# Altium PCB Bran_Main_Assay_PCB_v2_20170826.pcbdoc (part 1 of 4)
Units mm, origin at the board's own origin, x right, y up, seen from the top; angles counter-clockwise.
Board outline 91.65 x 48.25 mm, 6 copper layers (TOP, GND1, Singal, POWER, GND2, BOTTOM), stack 0.8 mm thick; 367 components, 288 nets, 1408 pads, 966 vias.
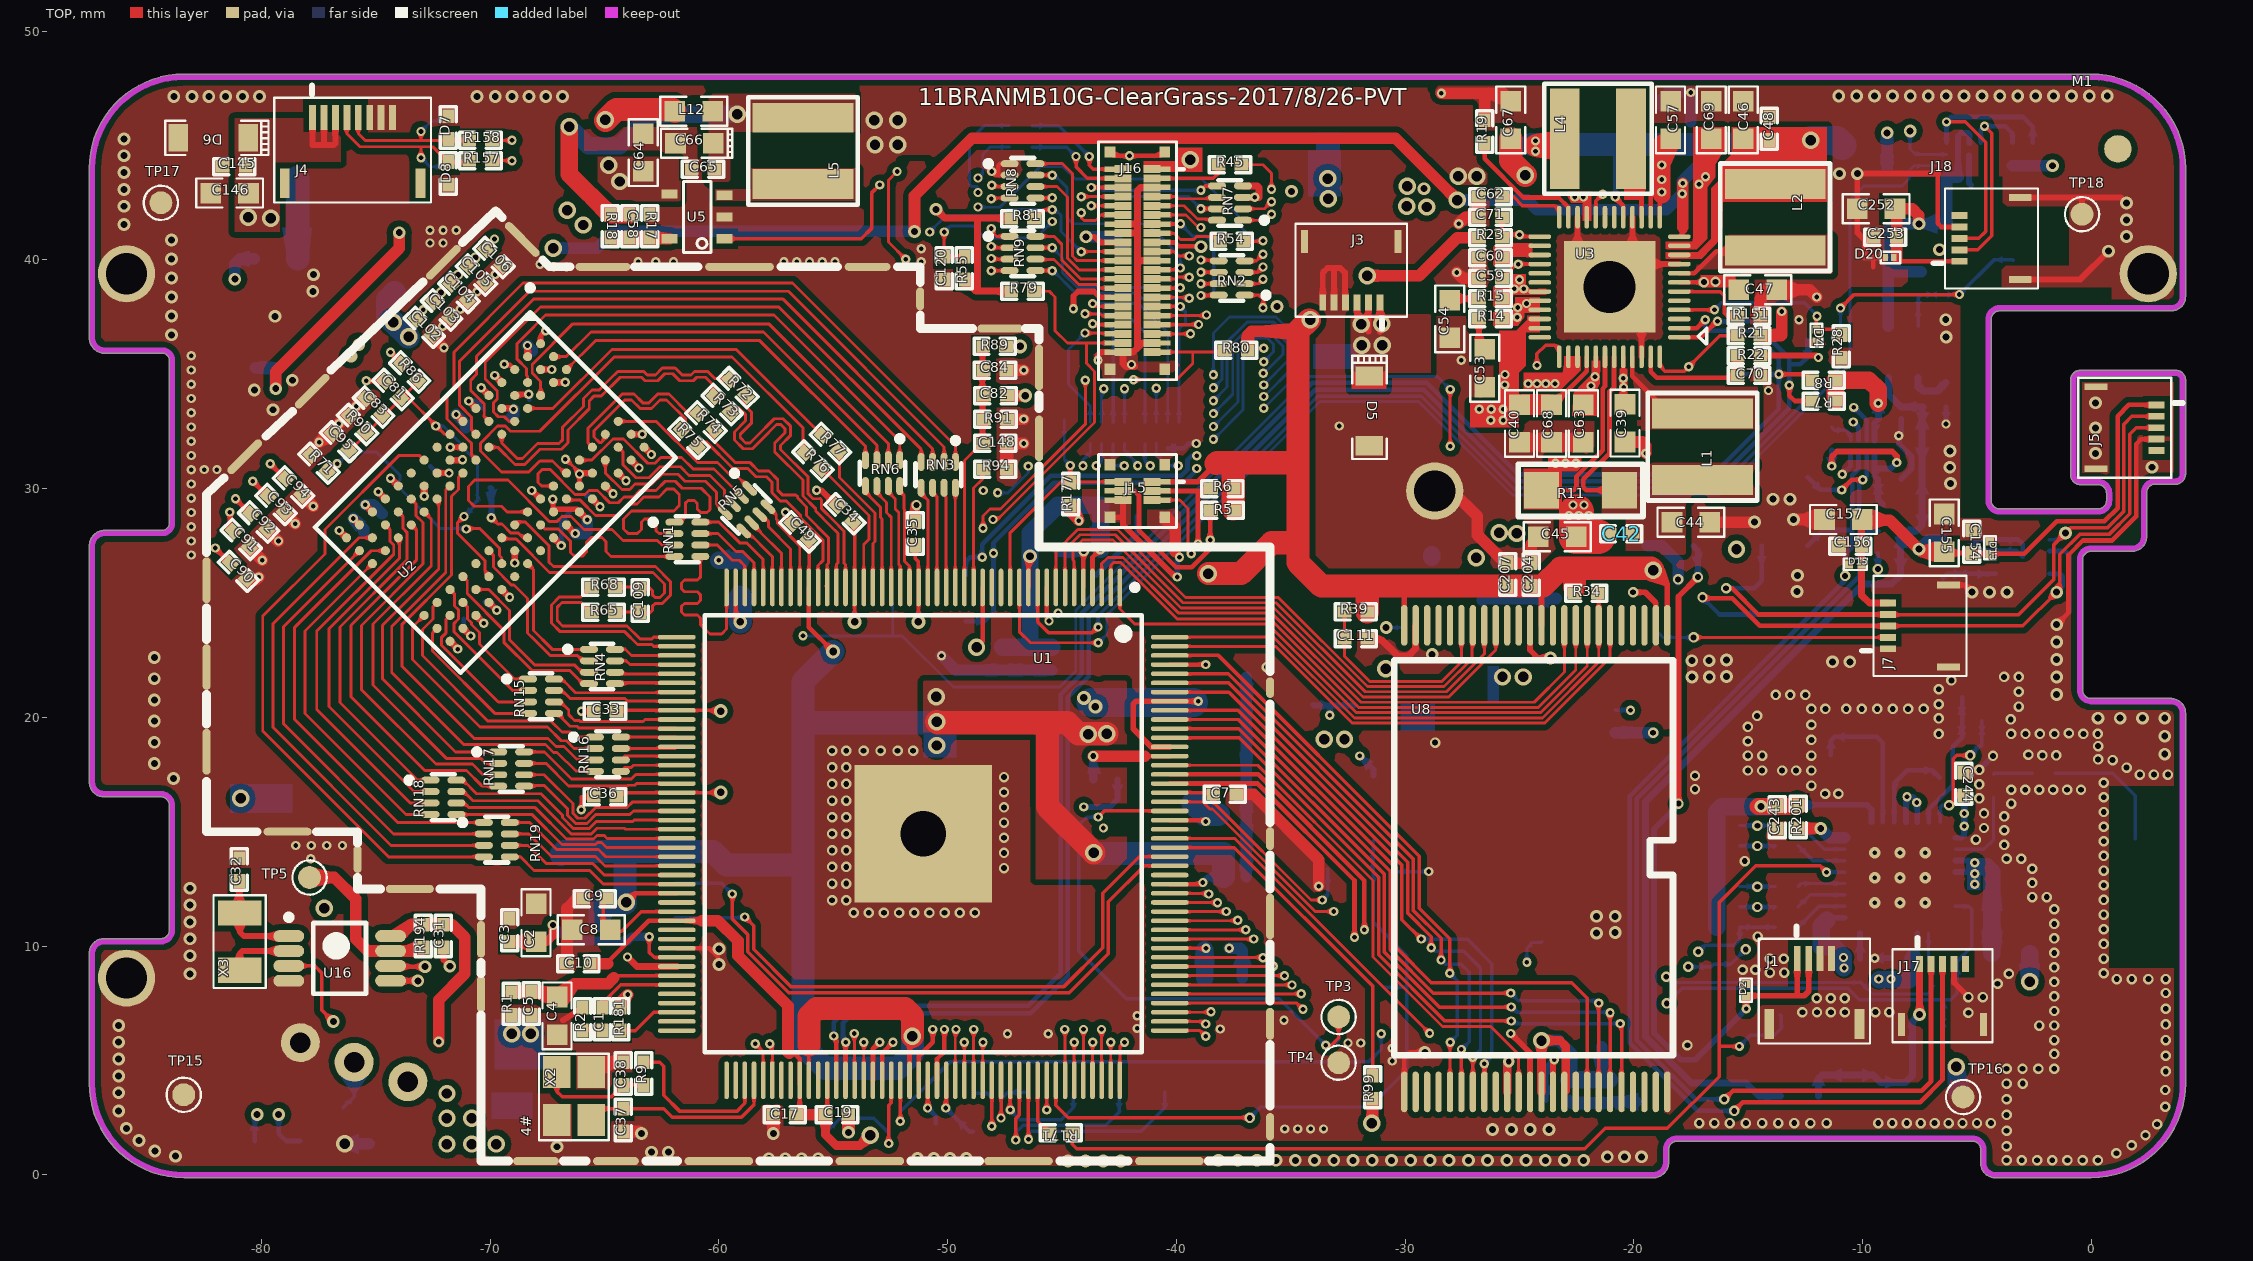
[diagram p0: TOP view]
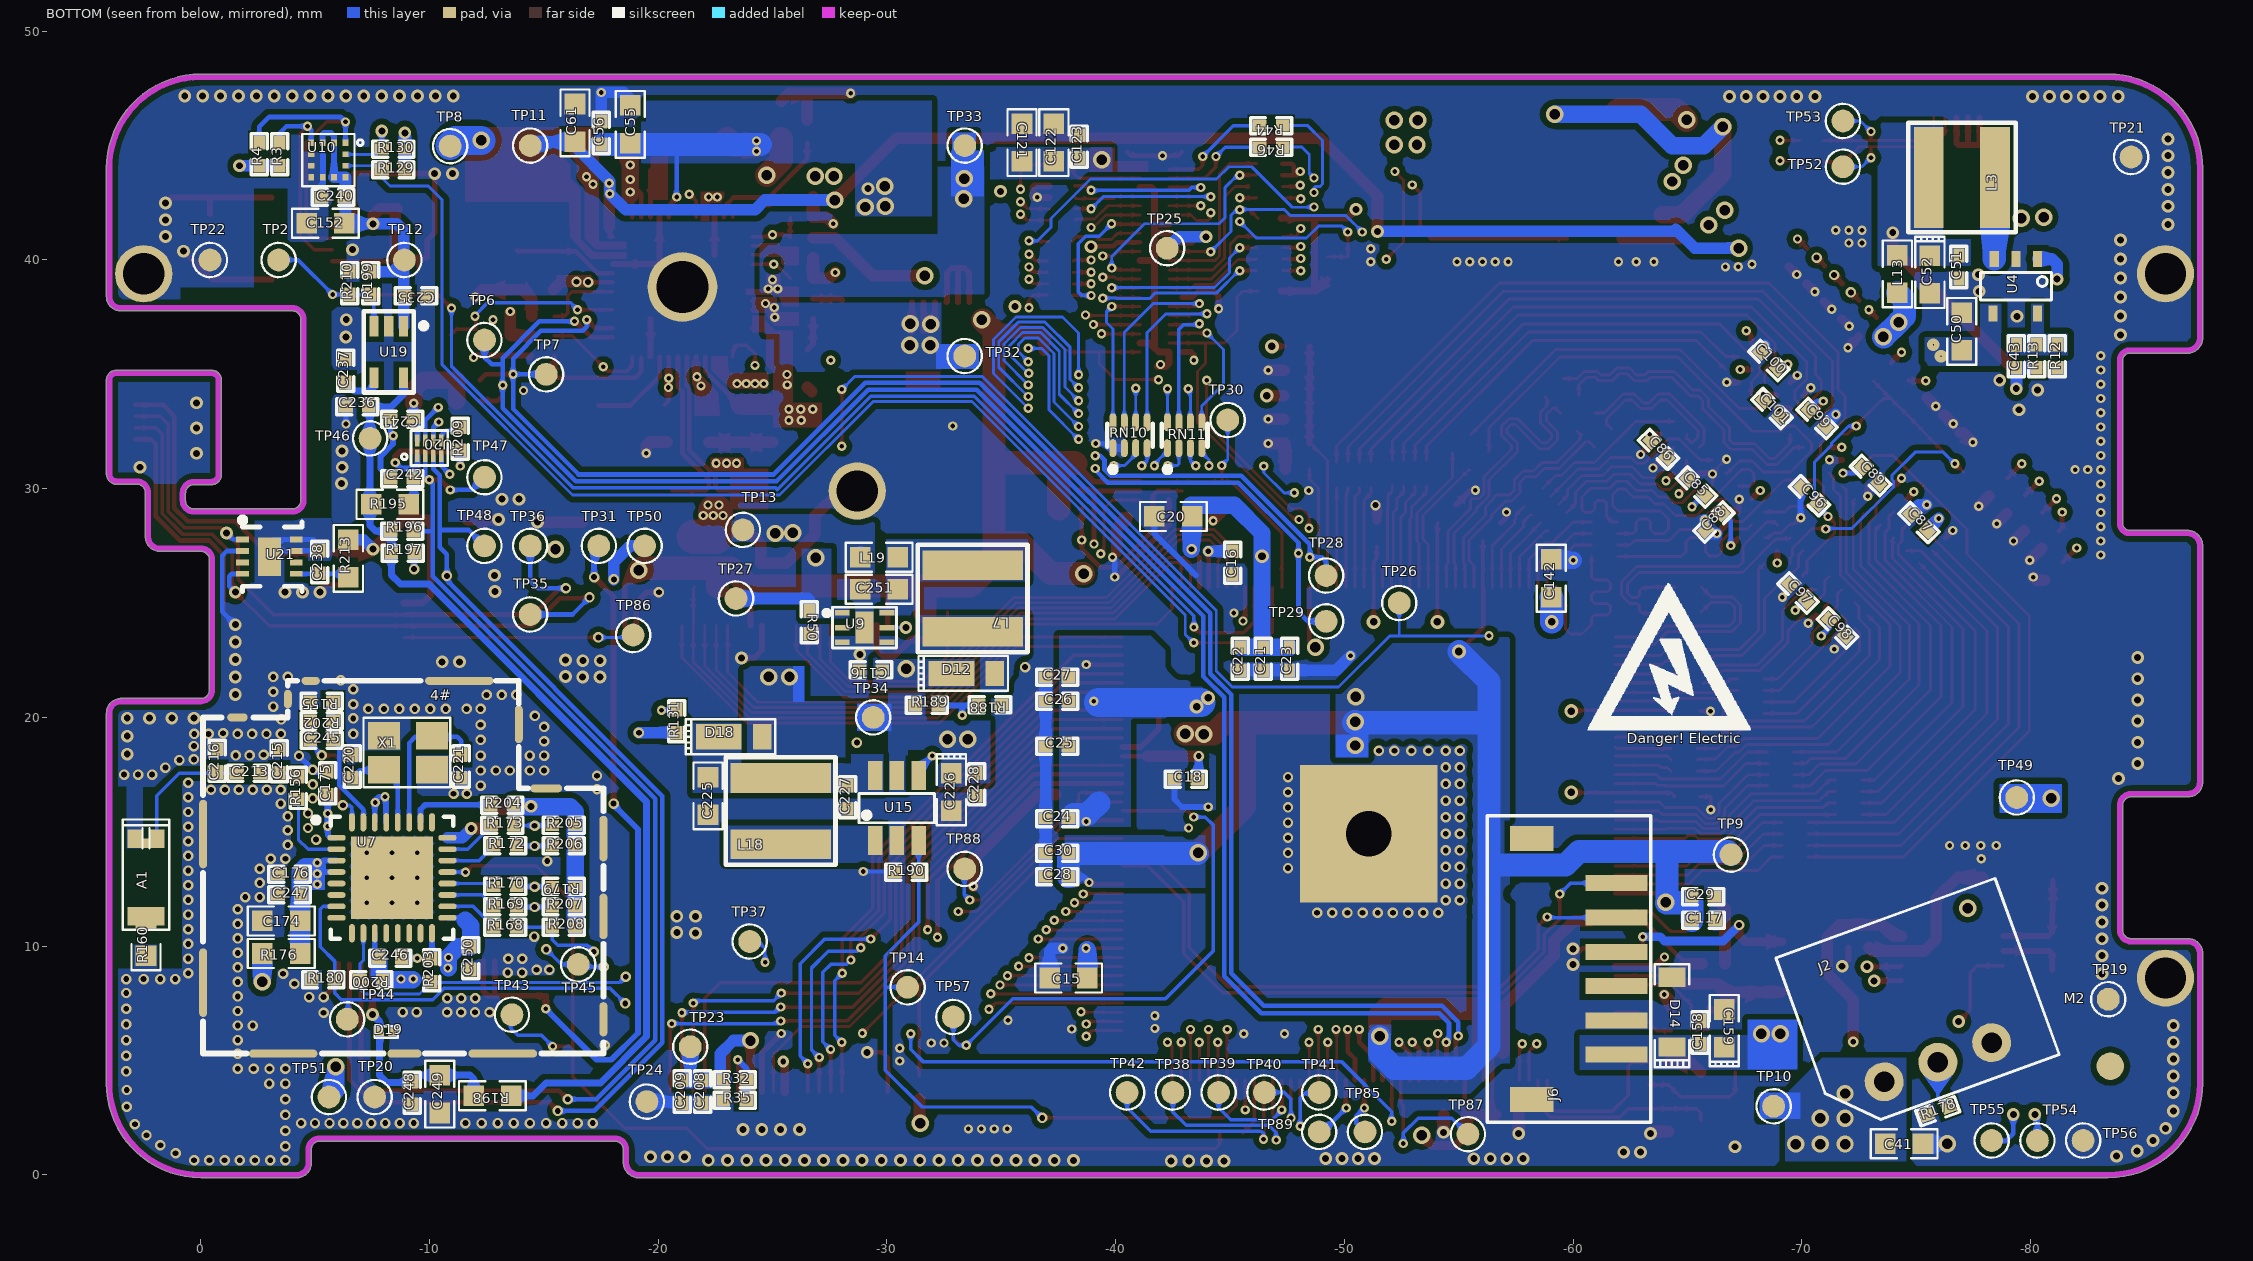
[diagram p1: BOTTOM view, seen from below]
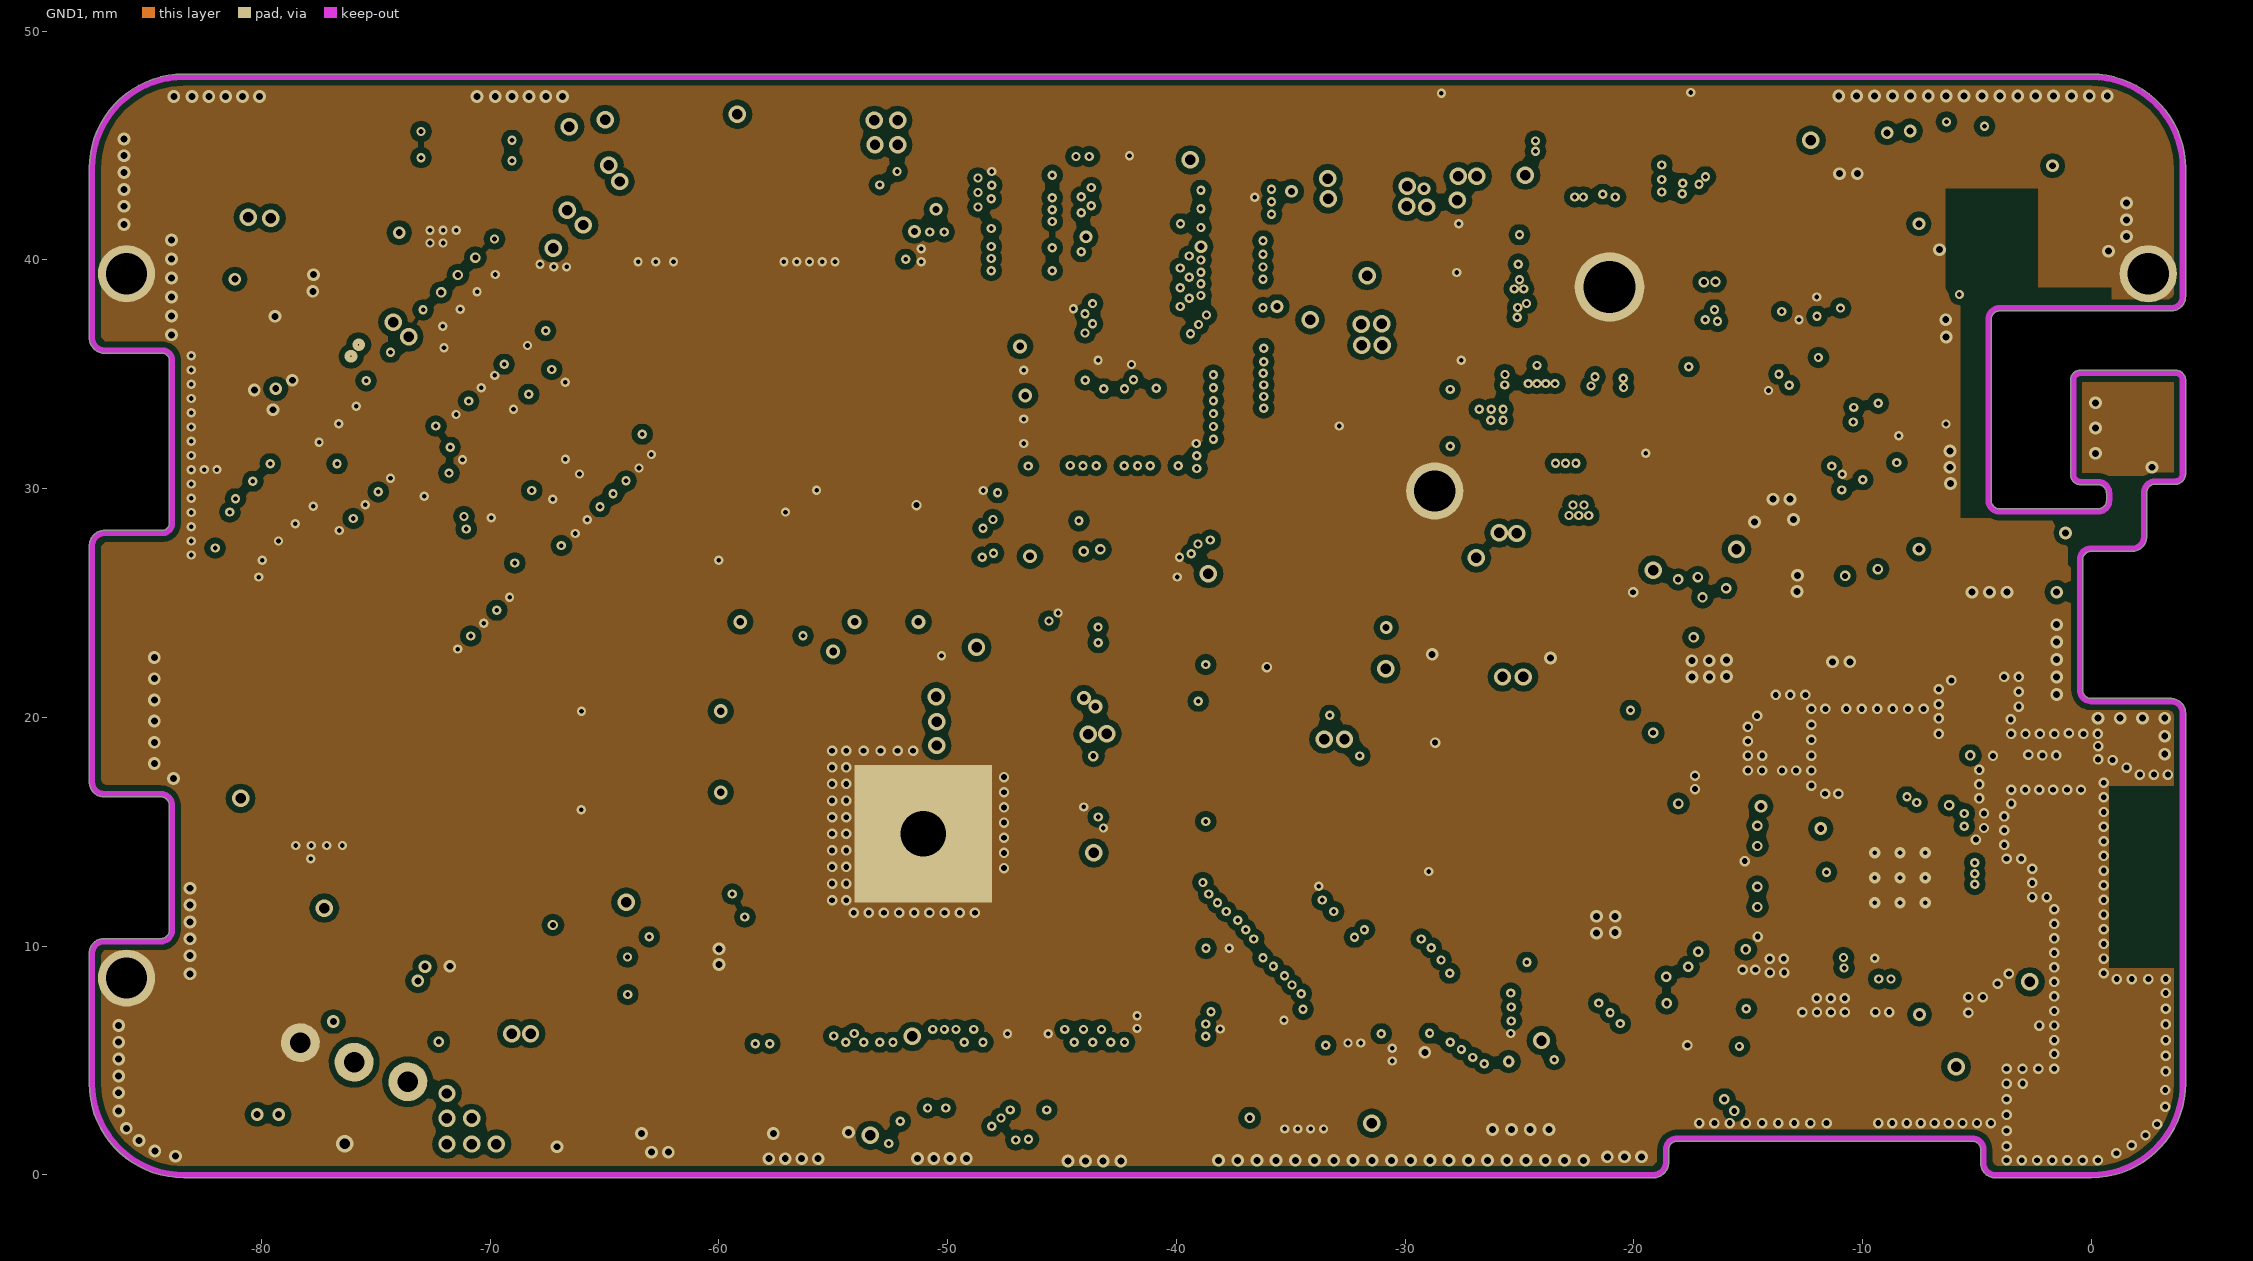
[diagram p2: GND1]
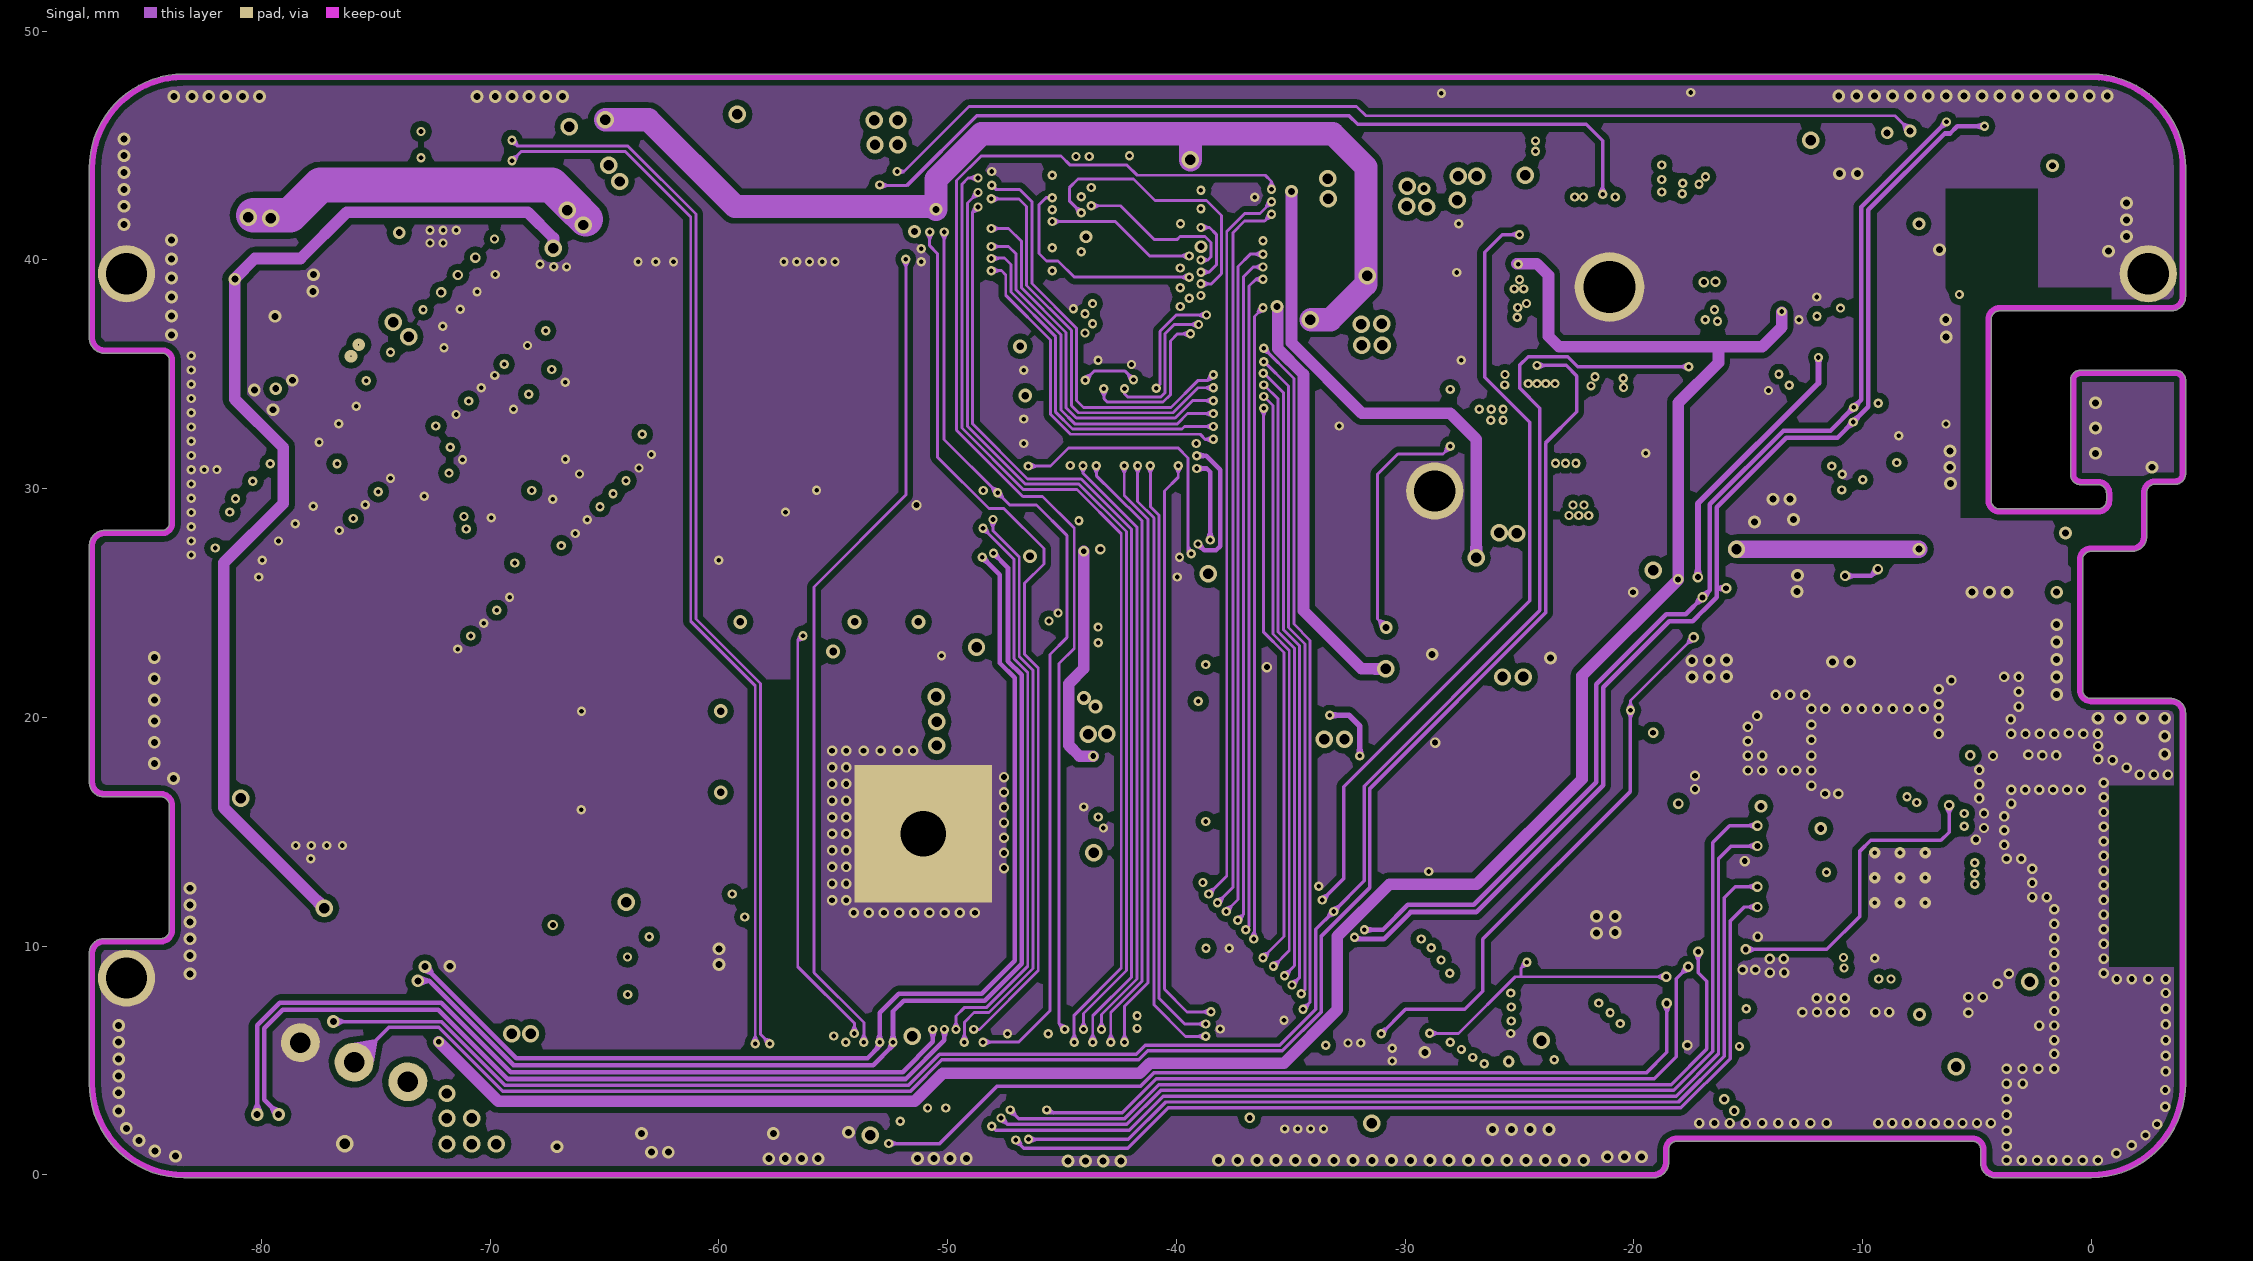
[diagram p3: Singal]